# KiCad board scsi_switcher.kicad_pcb (continued)
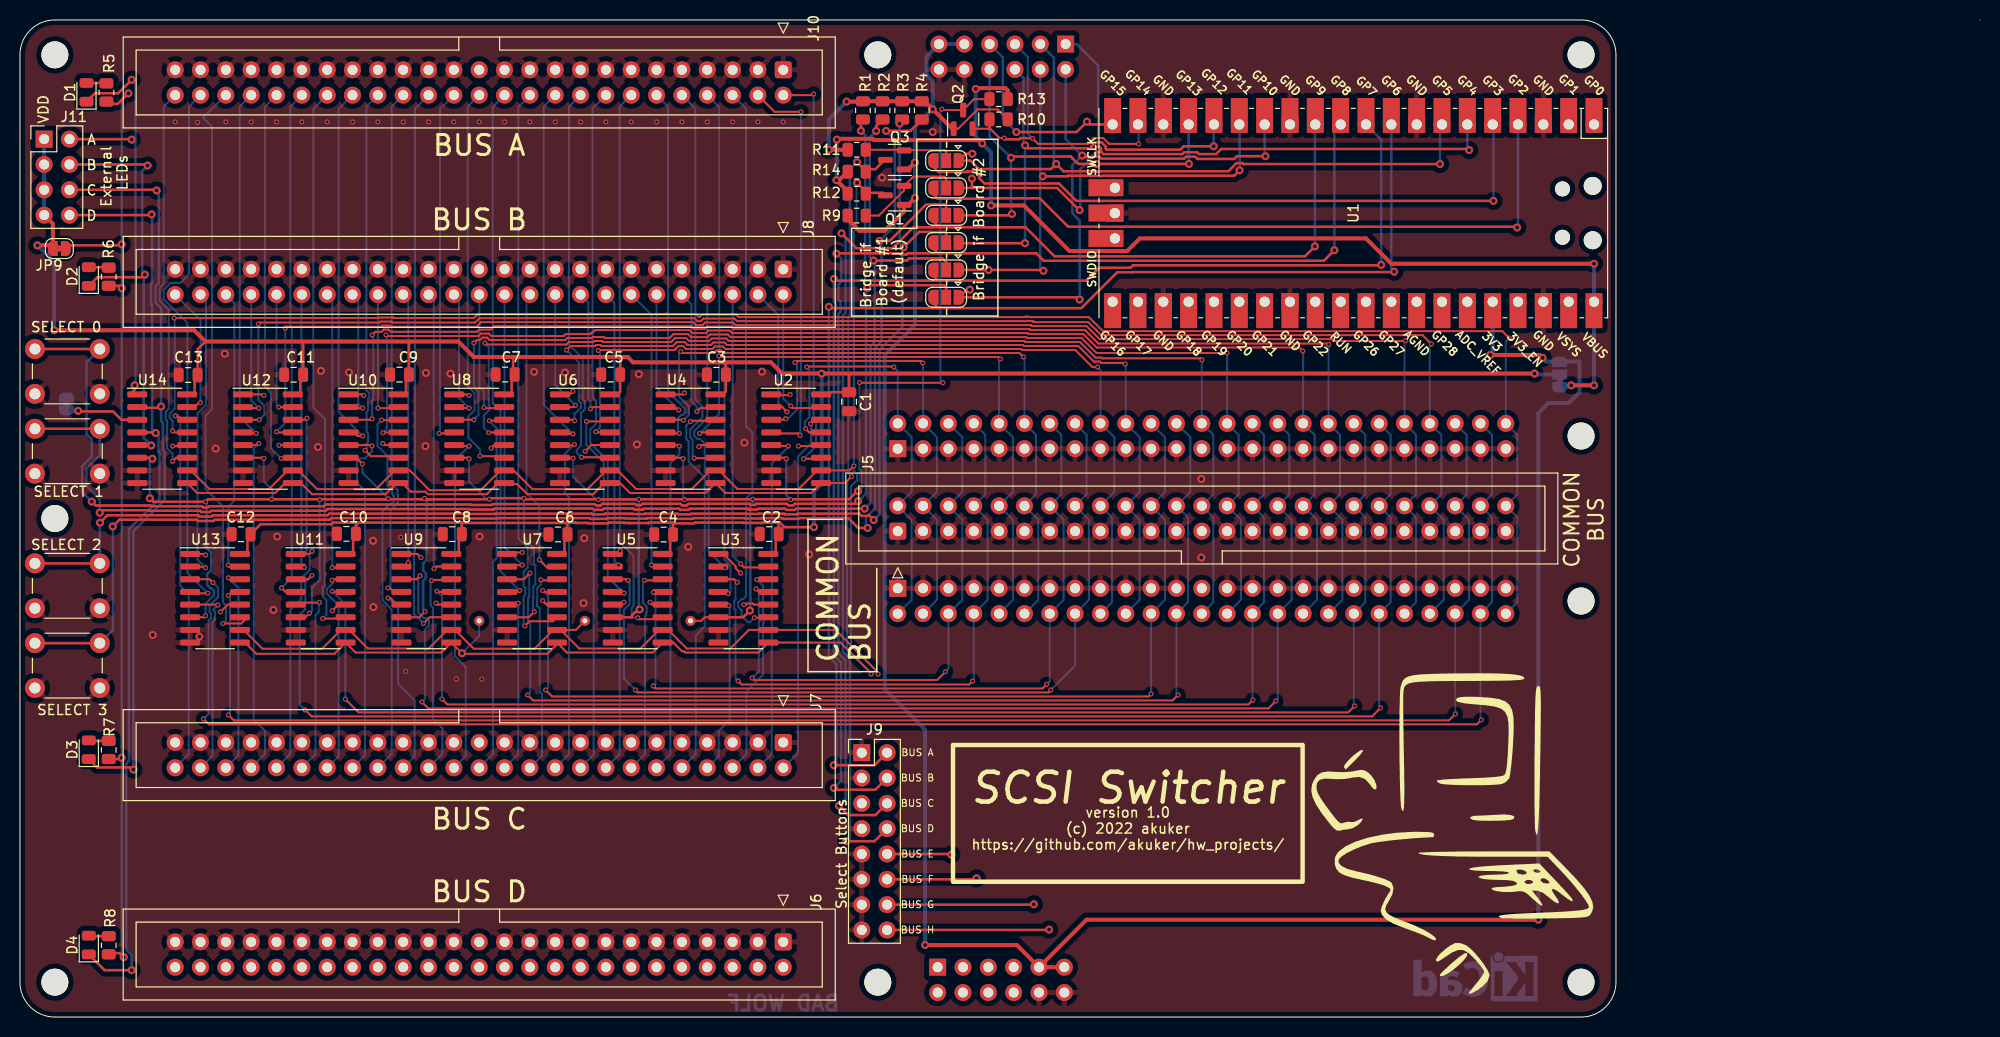
[diagram p0: board, top side]
## Routing (per net, layer and track width the routed paths; a pad name or vN(x,y) marks a point on that pad's centre or on a via; arc(x,y) is an arc through that point) (continued)
  Top w0.4: v2(1.75,77.39) 1.76,77.4 3.3,77.4 3.3,79.55 J11.7 ; 60.92,66.2 61.46,65.66 75.28,65.66 76.4,64.54 80.36,64.54 v2(80.37,64.53) 80.38,64.54 v2(151.84,64.54) ; 60.92,66.2 45.5,66.2 43.95,67.75 18.59,67.75 17.46,68.88 v2(3.43,68.88) ; 60.92,66.2 60.12,66.2 60.09,66.17
  Bottom w0.4: v2(3.43,68.88) 3.43,75.71 v2(1.75,77.39) ; v2(80.37,64.53) 80.37,64.52 80.37,53.48 79.61,52.71 v2(79.61,49.13) ; JP1.2 151.94,64.44 v2(151.84,64.54) ; J11.1 J11.7
BUTTON_SELECT_0: length 149.2
  Top w0.25: 84.31,89.82 v2(84.31,88.88) ; JP2.2 92.85,73.19 92.63,73.4 85.21,73.4 v2(84.94,73.13) ; v2(7.2,51.7) 7.6,51.3 13.11,51.3 13.19,51.22 18.25,51.22 18.37,51.1 18.85,51.1 18.97,51.22 30.48,51.22 30.66,51.4 45.25,51.4 45.29,51.35 47.29,51.35 47.39,51.45 57.61,51.45 57.74,51.31 58.22,51.31 58.36,51.46 61.67,51.46 61.79,51.34 62.27,51.34 62.4,51.48 66.21,51.48 66.38,51.31 66.85,51.31 67.02,51.48 73.11,51.48 73.23,51.35 73.71,51.35 73.83,51.48 76.88,51.48 77.04,51.31 77.52,51.31 77.69,51.48 83.76,51.48 v2(84.02,51.74) ; SW1.1 SW1.1
  Bottom w0.25: v2(7.2,51.7) 6.23,52.67 6.23,55.23 7.2,56.21 7.2,57.93 6.68,58.45 6.68,65.68 SW1.1 ; v2(84.31,88.88) 84.74,88.45 84.74,73.32 v2(84.94,73.13) 84.82,73.01 84.82,52.51 84.04,51.74 v2(84.02,51.74)
BUTTON_SELECT_1: length 142
  Top w0.25: SW2.1 SW2.1 ; v2(85.57,75.87) 88.92,75.87 89.14,76.09 92.5,76.09 92.85,75.73 JP3.2 ; v2(8,50.58) 8.25,50.83 12.95,50.83 13,50.77 18.06,50.77 18.18,50.65 19.03,50.65 19.16,50.77 30.66,50.77 30.84,50.95 45.06,50.95 45.11,50.9 47.48,50.9 47.57,51 57.42,51 57.55,50.86 58.4,50.86 58.54,51 61.49,51 61.61,50.89 62.45,50.89 62.55,50.99 66.07,50.99 66.19,50.86 67.04,50.86 67.16,50.99 72.97,50.99 73.05,50.9 73.9,50.9 73.98,50.99 76.73,50.99 76.86,50.86 77.71,50.86 77.83,50.99 v2(84.68,50.99) ; R2.2 85.83,89.37 v2(85.83,88.87)
  Bottom w0.25: SW2.1 8,56.37 6.68,55.05 6.68,53.25 8,51.92 v2(8,50.58) ; v2(84.68,50.99) 85.27,51.57 85.27,67.29 85.68,67.7 85.68,75.76 v2(85.57,75.87) 85.19,76.25 85.19,88.23 v2(85.83,88.87)
BUTTON_SELECT_2: length 136.5
  Top w0.25: v2(88.59,77.2) 90.13,78.74 92.78,78.74 92.85,78.67 JP4.2 ; v2(8.03,49.58) 8.78,50.33 17.87,50.33 18,50.2 19.22,50.2 19.34,50.33 30.85,50.33 31.01,50.49 44.89,50.49 44.92,50.45 47.67,50.45 47.7,50.49 57.29,50.49 57.37,50.41 58.59,50.41 58.66,50.49 61.37,50.49 61.42,50.44 62.64,50.44 62.69,50.49 65.93,50.49 66,50.41 67.22,50.41 67.3,50.49 72.83,50.49 72.86,50.45 74.08,50.45 74.12,50.49 76.6,50.49 76.67,50.41 77.89,50.41 77.97,50.49 84.15,50.49 84.38,50.26 84.98,50.26 85.06,50.34 85.1,50.34 v2(85.59,49.85) ; 88.18,89.76 v2(88.18,89.6) ; SW3.1 SW3.1
  Bottom w0.25: v2(85.59,49.85) 86.17,50.42 86.17,66.92 88.46,69.21 88.46,77.07 v2(88.59,77.2) 88.18,77.6 v2(88.18,89.6) ; SW3.1 8,49.55 v2(8.03,49.58)
BUTTON_SELECT_3: length 150.5
  Top w0.25: JP5.2 92.85,81.41 92.78,81.48 90.83,81.48 87.19,77.84 v2(86.17,77.84) ; SW4.1 SW4.1 ; v2(84.98,49.05) 84.03,49.05 83.05,50.04 78.15,50.04 78.08,49.96 76.49,49.96 76.41,50.04 74.3,50.04 74.27,50 72.68,50 72.64,50.04 67.49,50.04 67.41,49.96 65.82,49.96 65.74,50.04 62.87,50.04 62.83,49.99 61.23,49.99 61.22,50 60.74,50 60.7,50.04 58.85,50.04 58.77,49.96 57.18,49.96 57.11,50.04 47.89,50.04 47.85,50 44.74,50 44.7,50.04 31.2,50.04 31.04,49.88 19.53,49.88 19.4,49.75 17.81,49.75 17.69,49.88 9.98,49.88 v2(9.3,49.2) ; R4.2 89.27,88.87 v2(86.83,88.87)
  Bottom w0.25: SW4.1 9.32,38.82 9.32,49.18 v2(9.3,49.2) ; v2(86.83,88.87) 87.7,88.01 87.7,79.36 v2(86.17,77.84) 86.38,77.63 86.38,67.77 85.72,67.11 85.72,51 84.82,50.1 84.82,49.22 v2(84.98,49.05)
GPIO_BUTTON_SELECT_0: length 126.1
  Top w0.25: 92.04,71.1 106.4,71.1 110,74.69 111.52,74.69 111.54,74.71 137.73,74.71 v2(137.77,74.75) ; 92.04,71.1 91.55,71.59 ; 92.04,71.1 81.23,71.1 v2(81.09,71.23) ; J9.2 85.67,25.26 v2(81.59,25.26)
  Bottom w0.25: v2(81.09,71.23) 81.09,36.16 81.85,35.39 81.85,25.52 v2(81.59,25.26) ; v2(137.77,74.75) 137.48,75.04 U1.9
GPIO_BUTTON_SELECT_1: length 128.7
  Top w0.25: v2(81.6,74.03) 81.77,73.85 92.03,73.85 ; v2(136.46,75.44) 136.42,75.4 111.59,75.4 111.33,75.14 108.19,75.14 106.9,73.85 92.03,73.85 ; v2(81.6,22.97) 81.77,22.8 85.75,22.8 J9.4 ; 91.55,74.33 92.03,73.85
  Bottom w0.25: v2(81.6,22.97) 82.32,23.69 82.32,35.57 81.6,36.28 81.6,70.72 81.82,70.93 81.82,71.53 81.6,71.75 v2(81.6,74.03) ; U1.10 136.46,88 v2(136.46,75.44)
GPIO_BUTTON_SELECT_2: length 126.4
  Top w0.25: 91.55,77.07 92.03,76.59 ; 92.03,76.59 89.01,76.59 88.89,76.47 88.29,76.47 88.17,76.59 81.88,76.59 v2(81.85,76.57) ; 92.03,76.59 101.89,76.59 102.64,75.85 130.71,75.85 v2(131.77,76.9) ; J9.6 85.75,20.26 83.04,20.26 v2(82.11,21.19)
  Bottom w0.25: U1.11 131.77,88.89 v2(131.77,76.9) ; v2(81.85,76.57) 82.32,76.1 82.32,73.73 82.05,73.45 82.05,71.93 82.27,71.72 82.27,70.75 82.05,70.53 82.05,36.47 82.76,35.75 82.76,21.85 v2(82.11,21.19)
GPIO_BUTTON_SELECT_3: length 129.9
  Top w0.25: v2(82.36,78.6) 83.85,77.11 87.48,77.11 89.57,79.2 92.16,79.2 ; v2(82.87,17.64) 85.67,17.64 J9.8 ; v2(129.82,77.29) 128.82,76.3 103.71,76.3 100.81,79.2 92.16,79.2 ; 91.55,79.81 92.16,79.2
  Bottom w0.25: 129.82,89.48 v2(129.82,77.29) ; v2(82.87,17.64) 83.21,17.98 83.21,35.94 82.5,36.66 82.5,70.34 82.77,70.62 82.77,78.19 v2(82.36,78.6)
GPIO_BUTTON_SELECT_4: length 139.7
  Top w0.25: v2(93.37,16.29) 93.3,16.35 86.93,16.35 ; v2(95.22,72.95) 94.91,72.95 JP2.1 106.01,72.19 v2(106.23,71.96) ; v2(124.86,86.33) 122.01,86.33 121.74,86.06 118.05,86.06 117.82,86.28 116.9,86.28 116.7,86.09 108.42,86.09 108.22,86.28 107.62,86.28 107.58,86.24 106.64,86.24 v2(106.48,86.4)
  In1.Cu w0.25: v2(95.22,72.95) 91.75,69.48 91.75,39.56 93.37,37.94 v2(93.37,16.29) 93.37,3.83 J4.2
  Bottom w0.25: v2(106.23,71.96) 106.23,79.9 105.51,80.63 105.51,85.42 v2(106.48,86.4) 104.83,88.06 J3.2 ; v2(124.86,86.33) 124.78,86.41 U1.14
GPIO_BUTTON_SELECT_5: length 136.1
  Top w0.25: v2(122.27,84.92) 121.73,84.38 108.58,84.38 108.54,84.34 107.33,84.34 107.29,84.38 105.08,84.38 105.03,84.32 v2(102.54,84.32) ; v2(102.6,74.85) 102.52,74.93 v2(97.09,74.93) JP3.1 ; v2(95.91,13.91) 95.81,13.81 J9.12
  In1.Cu w0.25: J4.4 95.91,3.83 v2(95.91,13.91) 95.91,32.88 96.99,33.96 96.99,74.82 v2(97.09,74.93)
  Bottom w0.25: J3.4 102.29,84.57 v2(102.54,84.32) 102.28,84.06 102.28,75.17 v2(102.6,74.85) ; v2(122.27,84.92) 122.27,89.49
GPIO_BUTTON_SELECT_6: length 149
  Top w0.25: v2(101.64,11.31) 101.6,11.27 86.93,11.27 ; v2(119.67,87.33) 116.67,87.33 116.34,87 108.93,87 108.84,87.09 108.84,87.31 108.42,87.73 107.82,87.73 107.39,87.31 107.39,87.3 107.39,87.14 107.38,87.13 101.06,87.13 v2(100.76,87.43) ; 94.21,77.61 v2(100.76,77.61)
  In1.Cu w0.25: J4.6 98.45,3.83 98.45,8.12 v2(101.64,11.31) 101.87,11.54 101.87,82.71 100.41,84.17 100.41,87.07 v2(100.76,87.43)
  Bottom w0.25: J3.6 100.61,94.18 100.61,87.58 v2(100.76,87.43) 100.76,87.42 v2(100.76,77.61) ; v2(119.67,87.33) 119.67,89.49
GPIO_BUTTON_SELECT_7: length 145.8
  Top w0.25: J9.16 103.13,8.73 v2(103.17,8.77) ; v2(99.36,86.17) 99.48,86.3 105.36,86.3 105.52,86.13 105.52,86.1 105.95,85.68 106.01,85.68 106.12,85.56 v2(107.92,85.56) v2(117.2,85.56) ; JP5.1 99.32,80.41 v2(99.45,80.54)
  In1.Cu w0.25: v2(107.92,85.56) 107.15,84.79 107.15,12.75 v2(103.17,8.77) 100.79,6.39 100.79,3.63 J4.8
  Bottom w0.25: v2(99.45,80.54) 99.36,80.63 v2(99.36,86.17) 97.21,88.32 J3.8 ; v2(117.2,85.56) 117.16,85.6 U1.17
GPIO_MUX_SELECT_A: length 70.3
  Top w0.25: 91.55,82.55 92.03,82.07 97.01,82.07 97.05,82.12 102.23,82.12 105.08,79.26 150.02,79.26 v2(150.09,79.19)
  Bottom w0.25: v2(150.09,79.19) 150.18,79.28 U1.4
GPIO_MUX_SELECT_B: length 65.4
  Top w0.25: v2(147.72,81.85) 105.91,81.85 104.16,83.6 96.7,83.6 96.15,84.14 96.15,84.39 95.73,84.81 95.07,84.81 95.04,84.78 94.94,84.78 94.91,84.75 92.09,84.75 91.55,85.29
  Bottom w0.25: v2(147.72,81.85) 147.72,89.44
GPIO_MUX_SELECT_C: length 157.1
  Top w0.25: v2(145.28,86.95) 145.17,87.06 120.42,87.06 119.91,86.55 118.19,86.55 118.01,86.73 116.71,86.73 116.53,86.55 108.59,86.55 108.41,86.73 108.4,86.73 108.13,87.01 v2(108.12,87.01) ; v2(106.23,80.93) 106.19,80.93 103.97,83.15 95.44,83.15 ; 95.44,83.15 95.44,84.08 v2(95.43,84.09) ; 95.44,83.15 JP6.1
  In1.Cu w0.25: v2(95.43,84.09) 89.37,78.03 89.37,6.53 90.9,5 J4.1
  Bottom w0.25: v2(106.23,80.93) 106.3,81 106.3,85.02 106.99,85.71 106.99,85.86 107.41,86.28 107.41,86.3 v2(108.12,87.01) 108.09,87.04 108.09,95.42 105.93,97.58 J3.1 ; v2(145.28,86.95) 145.1,87.13 U1.6
GPIO_MUX_SELECT_D: length 150.2
  Top w0.25: v2(95.48,86.58) 94.84,86.58 JP7.1 95.29,85.89 96.13,85.05 103.37,85.05 v2(103.88,85.56) 104.61,84.83 107.48,84.83 107.51,84.79 108.36,84.79 108.39,84.83 121.14,84.83 121.96,85.64 122.57,85.64 122.66,85.55 v2(142.36,85.55)
  In1.Cu w0.25: v2(95.48,86.58) 96.12,85.94 96.12,84.42 96.15,84.39 96.15,72.86 95.52,72.23 95.13,72.23 94.45,71.54 94.45,5.09
  Bottom w0.25: v2(142.36,85.55) 142.36,89.32 ; J3.3 103.66,96.21 103.66,85.78 v2(103.88,85.56)
J1_Pin2: length 44.9
  Top w0.2: 81.07,58.63 79.13,58.63 v1(78.77,59) ; v1(87.6,65.19) 87.55,65.24 78.93,65.24 v1(78.88,65.19)
  Bottom w0.2: v1(78.88,65.19) 79.14,64.93 79.14,60.15 78.71,59.72 78.71,59.06 v1(78.77,59) ; v1(87.6,65.19) 88,64.79 J2.2 89.39,58.15 89.39,52.66 J5.2 89.39,49.88 89.39,41.85 J1.2
J1_Pin4: length 49
  Top w0.2: v1(77.7,65.65) 77.85,65.8 90.3,65.8 v1(90.5,65.6) ; 74.57,59.91 76.66,59.91 v1(76.76,60.01)
  Bottom w0.2: v1(77.7,65.65) 77.9,65.45 77.9,60.92 76.99,60.01 v1(76.76,60.01) ; J1.4 91.93,41.85 91.93,49.88 J5.4 91.93,52.66 91.93,58.15 J2.4 90.54,65.56 v1(90.5,65.6)
J1_Pin6: length 58.7
  Top w0.2: 75.77,42.64 74.1,42.64 v1(73.79,42.94) ; v1(92.79,34.64) 91.95,33.8 73.6,33.8 v1(73.4,34)
  Bottom w0.2: v1(92.79,34.64) 93.08,34.93 J1.6 94.47,41.85 94.47,49.88 J5.6 94.47,52.66 94.47,58.15 J2.6 ; v1(73.4,34) 74.07,34.67 74.07,39.62 74.1,39.66 74.1,39.66 74.14,39.7 74.14,39.75 74.17,39.78 74.17,39.81 74.18,39.81 74.18,40.28 74.07,40.39 74.07,42.67 v1(73.79,42.94)
J1_Pin8: length 64.7
  Top w0.2: v1(95.5,33.7) 95.15,33.35 72.35,33.35 v1(72,33.7) ; 69.27,43.91 71.59,43.91 v1(71.9,43.6)
  Bottom w0.2: v1(72,33.7) 71.74,33.96 71.74,40.84 71.61,40.96 71.61,41.75 71.74,41.87 71.74,43.44 v1(71.9,43.6) ; J2.8 96.77,58.39 96.77,52.42 J5.8 97.01,49.88 97.01,41.85 J1.8 95.62,33.82 v1(95.5,33.7)
J1_Pin10: length 67.2
  Top w0.2: v1(70.08,66.31) 70.19,66.2 98.1,66.2 v1(98.3,66) ; v1(68.14,58.53) 68.24,58.63 70.48,58.63
  Bottom w0.2: v1(98.3,66) 98.16,65.86 J2.10 99.55,58.15 99.55,52.66 J5.10 99.55,49.88 99.55,41.85 J1.10 ; v1(68.14,58.53) 70.08,60.47 v1(70.08,66.31)
J1_Pin12: length 72.9
  Top w0.2: 63.98,59.91 66.47,59.91 v1(66.52,59.85) ; v1(100.6,66.2) 100.2,66.6 70.56,66.6 70.3,66.86 69.85,66.86 69.59,66.6 66.38,66.6 v1(66.24,66.74)
  Bottom w0.2: v1(66.24,66.74) 66.06,66.57 66.06,62.24 67.06,61.25 67.06,60.38 v1(66.52,59.85) ; J1.12 102.09,41.85 102.09,49.88 J5.12 101.85,52.42 101.85,58.39 J2.12 100.7,66.1 v1(100.6,66.2)
J1_Pin14: length 77.7
  Top w0.2: v1(63.5,33.2) 63.75,32.95 102.51,32.95 v1(102.93,33.37) ; 63.53,42.64 v1(63.5,42.6)
  Bottom w0.2: v1(63.5,33.2) 63.72,33.42 63.72,42.38 v1(63.5,42.6) ; J2.14 104.39,58.39 104.39,52.42 J5.14 104.63,49.88 104.63,41.85 J1.14 103.24,33.68 v1(102.93,33.37)
J1_Pin16: length 85.8
  Top w0.2: v1(60.97,43.79) 60.86,43.91 58.68,43.91 ; v1(61.7,32.8) 61.95,32.55 103.09,32.55 v1(103.34,32.8)
  Bottom w0.2: v1(61.7,32.8) 60.54,33.96 60.54,40.82 61.12,41.39 61.12,43.64 v1(60.97,43.79) ; v1(103.34,32.8) 105.78,35.24 J1.16 107.17,41.85 107.17,49.88 J5.16 106.93,52.42 106.93,58.39 J2.16
J1_Pin18: length 88.9
  Top w0.2: v1(108.03,65.19) 107.51,65.19 105.8,66.9 100.46,66.9 100.37,67 70.73,67 70.47,67.26 69.68,67.26 69.42,67 66.76,67 66.46,67.29 66.01,67.29 65.69,66.97 65.69,66.9 58.03,66.9 v1(57.98,66.85) ; 59.88,58.63 57.79,58.63 v1(57.72,58.7)
  Bottom w0.2: v1(108.03,65.19) 108.32,64.9 J2.18 109.71,58.15 109.71,52.66 J5.18 109.47,50.12 109.47,41.61 J1.18 ; v1(57.98,66.85) 58.14,66.69 58.14,59.12 v1(57.72,58.7)
J1_Pin20: length 95.2
  Top w0.2: 53.38,59.91 55.5,59.91 v1(55.6,59.8) ; v1(110.8,65.5) 110.7,65.6 108.4,65.6 108.26,65.74 107.81,65.74 107.73,65.67 106.1,67.3 100.63,67.3 100.53,67.4 70.89,67.4 70.63,67.66 69.52,67.66 69.26,67.4 66.92,67.4 66.63,67.69 65.84,67.69 65.45,67.3 58.31,67.3 58.21,67.4 57.75,67.4 57.65,67.3 55.2,67.3 v1(54.8,66.9)
  Bottom w0.2: J1.20 112.25,41.85 112.25,49.88 J5.20 112.25,52.66 112.25,58.15 J2.20 110.86,65.44 v1(110.8,65.5) ; v1(55.6,59.8) 55.6,60.48 56.24,61.13 56.24,61.58 56.02,61.8 56.02,65.68 v1(54.8,66.9)
J1_Pin22: length 103.1
  Top w0.2: v1(52.7,32.8) 53.35,32.15 113.15,32.15 v1(113.4,32.4) ; v1(52.41,42.78) 52.56,42.64 54.59,42.64
  Bottom w0.2: v1(113.4,32.4) J1.22 114.79,41.85 114.79,49.88 J5.22 114.79,52.66 114.79,58.15 J2.22 ; v1(52.7,32.8) 52.95,33.05 52.95,42.24 v1(52.41,42.78)
J1_Pin24: length 110.8
  Top w0.2: 48.09,43.91 50.5,43.91 v1(51.12,44.52) ; v1(116.1,32.3) 115.55,31.75 51.45,31.75 v1(50.9,32.3)
  Bottom w0.2: v1(51.12,44.52) 51.05,44.46 51.05,42.14 50.93,42.02 50.93,39.68 51.16,39.46 51.16,32.56 v1(50.9,32.3) ; J2.24 117.33,58.15 117.33,52.66 J5.24 117.09,50.12 117.09,41.61 J1.24 115.94,32.46 v1(116.1,32.3)
J1_Pin26: length 112.7
  Top w0.2: v1(47,58.6) 47.03,58.63 49.29,58.63 ; v1(118.5,65.9) 118.34,66.06 108.5,66.06 108.43,66.14 107.83,66.14 106.27,67.7 100.8,67.7 100.7,67.8 71.06,67.8 70.8,68.06 69.35,68.06 69.09,67.8 67.09,67.8 66.79,68.09 65.68,68.09 65.28,67.7 58.47,67.7 58.37,67.8 57.59,67.8 57.49,67.7 55.03,67.7 54.78,67.45 46.75,67.45 v1(46.61,67.59)
  Bottom w0.2: v1(118.5,65.9) 118.48,65.88 J2.26 119.63,58.39 119.63,52.42 J5.26 119.63,50.12 119.63,41.61 J1.26 ; v1(47,58.6) 46.51,59.09 46.51,60.34 47.07,60.9 47.07,61.36 47,61.43 47,67.2 v1(46.61,67.59)
J1_Pin28: length 116.2
  Top w0.2: 42.79,59.91 45.5,59.91 v1(45.5,59.9) ; v1(45.51,67.6) 45.81,67.9 46.13,67.9 46.37,68.14 46.84,68.14 47.08,67.9 54.67,67.9 54.87,68.1 57.32,68.1 57.42,68.2 58.54,68.2 58.64,68.1 65.12,68.1 65.51,68.49 66.96,68.49 67.25,68.2 68.93,68.2 69.19,68.46 70.97,68.46 71.22,68.2 100.86,68.2 100.96,68.1 106.43,68.1 107.93,66.6 v1(121,66.6)
  Bottom w0.2: v1(45.5,59.9) 45.97,60.37 45.97,62.74 45.51,63.2 v1(45.51,67.6) ; J1.28 122.41,41.85 122.41,49.88 J5.28 122.17,52.42 122.17,58.39 J2.28 121.02,66.58 v1(121,66.6)
J1_Pin30: length 124.6
  Top w0.2: v1(41.8,42.7) 41.87,42.64 43.99,42.64 ; v1(123.6,31.8) 123.15,31.35 42.85,31.35 v1(42.3,31.9)
  Bottom w0.2: v1(42.3,31.9) 42.3,42.2 v1(41.8,42.7) ; J2.30 124.71,58.39 124.71,52.42 J5.30 124.71,50.12 124.71,41.61 J1.30 123.56,31.84 v1(123.6,31.8)
J1_Pin32: length 132.6
  Top w0.2: v1(40.12,44.26) 39.76,43.91 37.49,43.91 ; v1(40.3,31.6) 40.95,30.95 125.15,30.95 v1(125.9,31.7)
  Bottom w0.2: J2.32 127.25,58.39 127.25,52.42 J5.32 127.49,49.88 127.49,41.85 J1.32 126.1,31.9 v1(125.9,31.7) ; v1(40.12,44.26) 39.94,44.08 39.94,40.56 40.47,40.03 40.68,40.03 41,39.71 41,39.25 40.6,38.85 40.6,31.9 v1(40.3,31.6)
J1_Pin34: length 134.3
  Top w0.2: v1(36.7,68.4) 36.8,68.3 45.96,68.3 46.21,68.54 47,68.54 47.25,68.3 54.5,68.3 54.7,68.5 57.16,68.5 57.26,68.6 57.36,68.6 57.65,68.89 67.13,68.89 67.42,68.6 68.76,68.6 69.02,68.86 71.13,68.86 71.39,68.6 101.03,68.6 101.13,68.5 106.6,68.5 107.95,67.15 128.25,67.15 v1(128.6,66.8) ; v1(36.39,58.6) 36.42,58.63 38.7,58.63
  Bottom w0.2: J1.34 130.03,41.85 130.03,49.88 J5.34 129.79,52.42 129.79,58.39 J2.34 128.64,66.76 v1(128.6,66.8) ; v1(36.39,58.6) 36.8,59.01 36.8,68.3 v1(36.7,68.4)
J1_Pin36: length 138.2
  Top w0.2: v1(35.3,60) 35.2,59.91 32.2,59.91 ; v1(131.2,67.44) 131.09,67.55 108.11,67.55 106.76,68.9 101.29,68.9 101.19,69 71.56,69 71.3,69.26 68.86,69.26 68.6,69 67.59,69 67.29,69.29 47.51,69.29 47.16,68.94 46.04,68.94 45.82,68.72 37.15,68.72 36.93,68.95 36.47,68.95 36.25,68.72 35.62,68.72 v1(35.3,68.4)
  Bottom w0.2: v1(35.3,60) 35.31,60.01 35.31,61.84 35.42,61.95 35.42,68.28 v1(35.3,68.4) ; J1.36 132.57,41.85 132.57,49.88 J5.36 132.33,52.42 132.33,58.39 J2.36 131.18,67.42 v1(131.2,67.44)
J1_Pin38: length 145.8
  Top w0.2: 33.4,42.64 31.37,42.64 v1(31.31,42.7) ; v1(32.62,31.88) 33.94,30.55 133.15,30.55 v1(133.8,31.2)
  Bottom w0.2: v1(133.8,31.2) 133.72,31.28 J1.38 134.87,41.61 134.87,50.12 J5.38 134.87,52.42 134.87,58.39 J2.38 ; v1(32.62,31.88) 32.62,41.39 v1(31.31,42.7)
J1_Pin40: length 155.7
  Top w0.2: v1(136.4,31) 135.55,30.15 29.25,30.15 v1(28.6,30.8) ; v1(29.28,44.3) 28.88,43.91 26.9,43.91
  Bottom w0.2: v1(29.28,44.3) 28.6,43.62 28.6,40.91 28.04,40.35 28.04,31.36 v1(28.6,30.8) ; v1(136.4,31) 136.26,31.14 J1.40 137.41,41.61 137.41,50.12 J5.40 137.41,52.42 137.41,58.39 J2.40
J1_Pin42: length 156.2
  Top w0.2: v1(26.6,69.1) 26.73,69.23 36.19,69.23 36.31,69.35 37.09,69.35 37.21,69.23 45.77,69.23 46.22,69.69 57.35,69.69 57.38,69.71 57.51,69.69 65.04,69.69 65.06,69.71 65.2,69.69 67.46,69.69 67.75,69.4 68.43,69.4 68.69,69.66 71.46,69.66 71.72,69.4 101.05,69.4 101.07,69.41 101.22,69.4 101.36,69.4 101.38,69.38 101.4,69.38 101.46,69.3 106.93,69.3 108.23,67.99 131.49,67.99 131.68,67.8 138.86,67.8 v1(138.9,67.84) ; v1(25.72,58.7) 25.78,58.63 28.1,58.63
  Bottom w0.2: v1(138.9,67.84) 138.8,67.74 J2.42 139.95,58.39 139.95,52.42 J5.42 139.95,50.12 139.95,41.61 J1.42 ; v1(26.6,69.1) 26.6,59.58 v1(25.72,58.7)
J1_Pin44: length 160.9
  Top w0.2: v1(24,59.9) 23.99,59.91 21.6,59.91 ; v1(141.5,67.5) 140.61,68.39 108.4,68.39 107.09,69.7 101.66,69.7 101.61,69.75 101.58,69.76 101.57,69.78 101.54,69.78 101.52,69.8 101.38,69.8 101.24,69.81 101.22,69.8 100.95,69.83 100.91,69.8 71.89,69.8 71.63,70.06 68.52,70.06 68.27,69.8 67.92,69.8 67.62,70.09 65.22,70.09 64.94,70.12 64.91,70.1 64.89,70.1 64.87,70.09 57.54,70.09 57.27,70.13 57.22,70.09 57.15,70.09 46.06,70.09 45.62,69.65 37.36,69.65 37.26,69.75 36.14,69.75 36.04,69.65 24.05,69.65 v1(23.9,69.5)
  Bottom w0.2: v1(141.5,67.5) 141.34,67.34 J2.44 142.49,58.39 142.49,52.42 J5.44 142.73,49.88 142.73,41.85 J1.44 ; v1(24,59.9) 24.49,60.39 24.49,61.3 23.9,61.89 v1(23.9,69.5)
J1_Pin46: length 167.4
  Top w0.2: v1(143.9,30.4) 143.25,29.75 21.45,29.75 v1(20.9,30.3) ; 21.25,42.64 v1(20.89,42.28)
  Bottom w0.2: v1(20.89,42.28) 21.06,42.11 21.06,30.46 v1(20.9,30.3) ; v1(143.9,30.4) 143.88,30.42 J1.46 145.27,41.85 145.27,49.88 J5.46 145.03,52.42 145.03,58.39 J2.46
J1_Pin48: length 178
  Top w0.2: 16.31,43.91 19.02,43.91 v1(19.35,43.58) ; v1(146.5,29.8) 146.06,29.36 18.94,29.36 v1(18.4,29.9)
  Bottom w0.2: v1(18.4,29.9) 18.9,30.4 18.9,39.76 19.16,40.02 19.16,40.47 19.01,40.62 19.01,41.26 19.86,42.12 19.86,43.06 v1(19.35,43.58) ; J2.48 147.57,58.39 147.57,52.42 J5.48 147.57,50.12 147.57,41.61 J1.48 146.42,29.88 v1(146.5,29.8)
J1_Pin50: length 178.9
  Top w0.2: v1(149.3,68.1) 148.61,68.79 108.56,68.79 107.16,70.2 101.56,70.2 101.43,70.22 101.42,70.21 101.4,70.21 101.39,70.2 101.12,70.23 101.1,70.21 100.83,70.24 100.77,70.2 72.05,70.2 71.79,70.45 68.36,70.45 68.1,70.2 68.08,70.2 67.79,70.49 65.25,70.49 64.82,70.54 64.79,70.51 64.76,70.52 64.74,70.5 64.72,70.5 64.7,70.49 57.57,70.49 57.16,70.55 57.1,70.5 57.03,70.5 57.01,70.49 56.99,70.49 45.89,70.49 45.5,70.1 37.47,70.1 37.42,70.15 35.98,70.15 35.93,70.1 v1(15.46,70.1) ; v1(15.31,58.79) 15.46,58.63 17.51,58.63
  Bottom w0.2: v1(15.46,70.1) 15.52,70.04 15.52,61.05 15.01,60.54 15.01,60.08 15.31,59.79 v1(15.31,58.79) ; v1(149.3,68.1) 148.96,67.76 J2.50 150.11,58.39 150.11,52.42 J5.50 150.11,50.12 150.11,41.61 J1.50
J2_Pin2: length 56
  Top w0.2: v1(78.04,57.26) 80.97,57.26
  In1.Cu w0.2: J6.2 77.83,6.31 77.83,52.16 77.67,52.32 77.67,56.89 v1(78.04,57.26)
J2_Pin4: length 61.4
  Top w0.2: v1(77.21,62.43) 77.15,62.37 74.65,62.37
  In1.Cu w0.2: v1(77.21,62.43) 75.13,60.35 75.13,6.15 J6.4
J2_Pin6: length 40.3
  Top w0.2: 75.77,41.36 73.57,41.36 73.47,41.47 72.89,41.47 72.78,41.36 72.57,41.36 v1(72.56,41.36)
  In1.Cu w0.2: v1(72.56,41.36) 72.36,41.15 72.36,39.04 72.61,38.79 72.61,6.17 J6.6
J2_Pin8: length 43.7
  Top w0.2: 70.51,46.44 71.75,45.21 71.75,45.02 v1(72.25,44.52)
  In1.Cu w0.2: v1(72.25,44.52) 72.04,44.52 70.29,42.77 70.29,6.39 J6.8
J2_Pin10: length 56.5
  Top w0.2: 70.48,57.37 68.22,57.37 v1(68.06,57.2)
  In1.Cu w0.2: v1(68.06,57.2) 67.88,57.03 67.88,56.54 68.14,56.28 68.14,55.83 68.9,55.06 68.9,29.17 67.75,28.02 67.75,27.06 67.88,26.93 67.88,25.61 67.75,25.48 67.75,24.52 67.88,24.39 67.88,8.15 67.75,8.02 67.75,6.39 J6.10
J2_Pin12: length 61.5
  Top w0.2: 63.98,62.45 66.46,62.45 v1(66.61,62.6)
  In1.Cu w0.2: J6.12 64.98,6.16 64.98,60.97 v1(66.61,62.6)
J2_Pin14: length 39.5
  Top w0.2: 65.18,41.36 63.4,41.36 v1(63.17,41.6)
  In1.Cu w0.2: J6.14 62.67,6.39 62.67,40.11 63.17,40.61 v1(63.17,41.6)
J2_Pin16: length 43.1
  Top w0.2: 59.86,46.44 v1(60.17,46.76)
  In1.Cu w0.2: J6.16 59.99,6.25 59.99,44.53 60.56,45.1 60.56,46.37 v1(60.17,46.76)
J2_Pin18: length 57.2
  Top w0.2: 59.88,57.37 57.29,57.37 v1(56.66,56.74)
  In1.Cu w0.2: J6.18 57.93,6.73 57.59,7.06 57.59,28.02 57.98,28.4 57.98,51.11 58.53,51.66 58.53,54.87 v1(56.66,56.74)
J2_Pin20: length 60.9
  Top w0.2: 53.38,62.45 55.13,62.45 v1(55.44,62.75)
  In1.Cu w0.2: v1(55.44,62.75) 54.5,61.81 54.5,28.32 54.81,28.02 54.81,6.15 J6.20
J2_Pin22: length 39.7
  Top w0.2: v1(52.4,41.77) 52.8,41.36 54.59,41.36
  In1.Cu w0.2: J6.22 52.27,6.15 52.27,32.45 52.15,32.57 52.15,41.52 v1(52.4,41.77)
J2_Pin24: length 45.3
  Top w0.2: v1(50.36,46.59) 48.24,46.59
  In1.Cu w0.2: v1(50.36,46.59) 50.91,46.04 50.91,45.1 50.4,44.59 50.4,44.46 50.91,43.95 50.91,40.3 49.73,39.12 49.73,6.15 J6.24
J2_Pin26: length 55.9
  Top w0.2: 49.29,57.37 47.54,57.37 v1(47.23,57.05)
  In1.Cu w0.2: v1(47.23,57.05) 48.33,55.96 48.33,28.91 47.43,28.02 47.43,7.06 47.77,6.73 J6.26
J2_Pin28: length 61.1
  Top w0.2: 42.79,62.45 44.92,62.45 v1(45.02,62.34)
  In1.Cu w0.2: v1(45.02,62.34) 43.61,60.93 43.61,36.2 44.65,35.16 44.65,6.15 J6.28
J2_Pin30: length 40.1
  Top w0.2: v1(41.72,41.51) 41.87,41.36 43.99,41.36
  In1.Cu w0.2: J6.30 42.35,6.39 42.35,31.17 42.85,31.67 42.85,40.39 v1(41.72,41.51)
J2_Pin32: length 44.3
  Top w0.2: U9.1 39.84,46.44 v1(40.2,46.09)
  In1.Cu w0.2: v1(40.2,46.09) 40.71,45.58 40.71,41.54 40.06,40.89 40.06,40.89 39.57,40.4 39.57,6.15 J6.32
J2_Pin34: length 55.7
  Top w0.2: 38.7,57.37 36.54,57.37 v1(36.39,57.52)
  In1.Cu w0.2: J6.34 37.06,6.18 37.06,41.08 36.35,41.79 36.35,57.47 v1(36.39,57.52)
J2_Pin36: length 60.9
  Top w0.2: 32.2,62.45 34.37,62.45 v1(34.47,62.34)
  In1.Cu w0.2: J6.36 34.49,6.15 34.49,28.02 33.59,28.91 33.59,61.47 v1(34.47,62.34)
J2_Pin38: length 37.4
  Top w0.2: 31.92,41.36 v1(31.31,40.75)
  In1.Cu w0.2: v1(31.31,40.75) 31.95,40.11 31.95,6.15 J6.38
J2_Pin40: length 45.3
  Top w0.2: 26.9,46.44 29.02,46.44 v1(29.29,46.71)
  In1.Cu w0.2: J6.40 29.57,6.31 29.57,41.26 28.73,42.1 28.73,44.52 29.29,45.08 v1(29.29,46.71)
J2_Pin42: length 55.4
  Top w0.2: v1(25.97,57.34) 26,57.37 28.1,57.37
  In1.Cu w0.2: J6.42 26.95,6.23 26.95,56.36 v1(25.97,57.34)
J2_Pin44: length 61.3
  Top w0.2: 21.6,62.45 24.35,62.45 v1(24.45,62.34)
  In1.Cu w0.2: J6.44 24.41,6.23 24.41,55.26 23.9,55.76 23.9,56.26 24.57,56.93 24.57,62.22 v1(24.45,62.34)
J2_Pin46: length 39.4
  Top w0.2: 22.81,41.36 20.83,41.36 v1(20.11,40.64)
  In1.Cu w0.2: J6.46 19.47,6.17 19.47,40 v1(20.11,40.64)
J2_Pin48: length 45
  Top w0.2: 16.31,46.44 18.5,46.44 v1(18.61,46.34)
  In1.Cu w0.2: J6.48 16.71,6.39 16.71,44.44 v1(18.61,46.34)
J2_Pin50: length 55.2
  Top w0.2: 17.41,57.26 v1(15.31,57.26)
  In1.Cu w0.2: v1(15.31,57.26) 14.41,56.37 14.41,6.15 J6.50
J3_Pin2: length 36.1
  Top w0.2: 79.57,59.8 v1(79.26,59.49)
  Bottom w0.2: v1(79.26,59.49) 79.32,59.44 79.32,57.53 78,56.22 78,26.48 J7.2
J3_Pin4: length 35.9
  Top w0.2: 74.67,57.26 v1(77.03,57.26)
  Bottom w0.2: J7.4 75.37,26.39 75.37,55.53 77.03,57.19 v1(77.03,57.26)
J3_Pin6: length 22.4
  Top w0.2: v1(73.87,43.87) 73.91,43.91 75.77,43.91
  Bottom w0.2: J7.6 72.83,26.39 72.83,32.65 74.5,34.32 74.5,39.49 74.5,39.49 74.5,39.5 74.54,39.53 74.54,39.58 74.57,39.62 74.57,39.64 74.58,39.65 74.58,40.44 74.5,40.52 74.5,43.24 v1(73.87,43.87)
J3_Pin8: length 18.9
  Top w0.2: 69.38,41.26 v1(71.06,41.26)
  Bottom w0.2: J7.8 70.05,26.15 70.05,28.69 71.15,29.79 71.15,41.18 v1(71.06,41.26)
J3_Pin10: length 39.8
  Top w0.2: v1(67.21,59.72) 67.29,59.8 70.37,59.8
  Bottom w0.2: J7.10 67.75,26.39 67.75,38.27 68.65,39.17 68.65,54.1 67.04,55.7 67.04,57.72 66.79,57.97 66.79,59.3 v1(67.21,59.72)
J3_Pin12: length 35.4
  Top w0.2: v1(66.11,57.26) 66,57.37 63.98,57.37
  Bottom w0.2: v1(66.11,57.26) 66.11,56.44 65.21,55.55 65.21,26.39 J7.12
J3_Pin14: length 22.1
  Top w0.2: 65.08,43.8 v1(62.6,43.8)
  Bottom w0.2: v1(62.6,43.8) 62.45,43.65 62.45,41.53 62.82,41.17 62.82,40.59 62.82,40.58 62.82,40.58 62.81,40.57 62.81,40.56 62.79,40.55 62.79,40.54 62.79,40.53 62.79,40.5 62.78,40.49 62.78,40.45 62.77,40.44 62.77,40.4 62.76,40.39 62.76,40.37 62.76,40.36 62.76,40.32 62.75,40.31 62.75,40.27 62.66,40.18 62.66,26.38 J7.14
J3_Pin16: length 17.7
  Top w0.2: 60.3,41.36 v1(60.54,41.6)
  Bottom w0.2: v1(60.54,41.6) 60.22,41.28 60.22,41.06 60.13,40.97 60.13,26.39 J7.16
J3_Pin18: length 39.4
  Top w0.2: 59.72,59.74 v1(56.8,59.74)
  Bottom w0.2: v1(56.8,59.74) 56.77,59.72 56.77,57.4 58.53,55.65 58.53,51.66 57.51,50.64 57.51,26.31 J7.18
J3_Pin20: length 35.8
  Top w0.2: v1(55.59,57.43) 55.48,57.32 53.43,57.32
  Bottom w0.2: J7.20 55.04,26.38 55.04,52.14 54.63,52.55 54.63,56.47 v1(55.59,57.43)
J3_Pin22: length 22
  Top w0.2: 54.48,43.8 52.27,43.8 v1(52.21,43.85)
  Bottom w0.2: J7.22 52.33,26.21 52.33,32.39 52.11,32.61 52.11,40.96 51.84,41.23 51.84,41.79 51.85,41.81 51.85,43.02 52.21,43.39 v1(52.21,43.85)
J3_Pin24: length 18.9
  Top w0.2: 48.12,41.4 49.84,41.4 v1(49.95,41.5)
  Bottom w0.2: v1(49.95,41.5) 49.95,26.37 J7.24
J3_Pin26: length 38
  Top w0.2: 49.19,59.8 v1(47.06,59.8)
  Bottom w0.2: v1(47.06,59.8) 47.78,59.08 47.78,46.01 47.43,45.66 47.43,26.39 J7.26
J3_Pin28: length 35.9
  Top w0.2: 42.89,57.26 v1(45.02,57.26)
  Bottom w0.2: J7.28 44.69,26.19 44.69,35.12 43.61,36.2 43.61,55.85 v1(45.02,57.26)
J3_Pin30: length 22.6
  Top w0.2: v1(41.26,43.78) 41.31,43.84 43.93,43.84
  Bottom w0.2: v1(41.26,43.78) 41.17,43.7 41.17,41.29 41.4,41.06 41.4,29.9 42.35,28.95 42.35,26.39 J7.30
J3_Pin32: length 19.6
  Top w0.2: 37.64,41.51 37.13,42.02 v1(36.9,42.02)
  Bottom w0.2: v1(36.9,42.02) 37.91,41.01 37.91,33.42 39.57,31.77 39.57,26.15 J7.32
J3_Pin34: length 39.6
  Top w0.2: 38.65,59.86 v1(36.25,59.86)
  Bottom w0.2: J7.34 37.27,26.39 37.27,40.87 36.35,41.79 36.35,50.72 37.05,51.43 37.17,51.43 37.49,51.75 37.49,52.2 37.45,52.25 37.45,52.33 37.3,52.48 37.3,52.86 36.83,53.32 36.83,56.3 35.84,57.29 35.84,59.45 v1(36.25,59.86)
J3_Pin36: length 37
  Top w0.2: v1(35.29,57.28) 35.22,57.35 34.87,57.35 34.83,57.38 34.38,57.38 34.34,57.35 32.38,57.35
  Bottom w0.2: v1(35.29,57.28) 35.29,56.74 34.57,56.02 34.11,56.02 33.79,55.7 33.79,53.57 34.58,52.78 34.58,26.24 J7.36
J3_Pin38: length 22.1
  Top w0.2: v1(31.31,43.8) 31.41,43.91 33.4,43.91
  Bottom w0.2: v1(31.31,43.8) 31.31,43.48 30.76,42.93 30.76,42.47 31.95,41.28 31.95,26.15 J7.38
J3_Pin40: length 20.3
  Top w0.2: v1(30.02,41.58) 29.99,41.56 27.09,41.56
  Bottom w0.2: J7.40 29.63,26.37 29.63,40.31 29.96,40.64 29.96,41.31 30.02,41.37 v1(30.02,41.58)
J3_Pin42: length 37.3
  Top w0.2: v1(28.77,60.06) 28.62,59.91 28.1,59.91
  Bottom w0.2: J7.42 27.11,26.39 27.11,40.86 28.2,41.95 28.2,44 29.06,44.86 29.06,46.17 28.74,46.49 28.74,60.02 v1(28.77,60.06)
J3_Pin44: length 36.2
  Top w0.2: 21.6,57.37 23.79,57.37 v1(23.94,57.52)
  Bottom w0.2: v1(23.94,57.52) 23.43,57.01 23.43,29.83 24.57,28.69 24.57,26.39 J7.44
J3_Pin46: length 21.9
  Top w0.2: v1(20.89,44.05) 21.15,43.8 22.7,43.8
  Bottom w0.2: v1(20.89,44.05) 21.9,43.05 21.9,26.26 J7.46
J3_Pin48: length 20.7
  Top w0.2: 16.31,41.36 19.8,41.36 v1(19.84,41.32)
  Bottom w0.2: J7.48 19.3,26.2 19.3,39.6 19.56,39.85 19.56,40.64 19.41,40.79 19.41,40.89 v1(19.84,41.32)
J3_Pin50: length 37.4
  Top w0.2: v1(15.56,60.31) 15.81,60.31 16.32,59.8
  Bottom w0.2: J7.50 16.92,26.36 16.92,42.42 16.07,43.27 16.07,59.8 v1(15.56,60.31)
